# Altium PCB Bran_Main_Assay_PCB_v2_20170826.pcbdoc (part 2 of 4)
Units mm, origin at the board's own origin, x right, y up, seen from the top; angles counter-clockwise.
Board outline 91.65 x 48.25 mm, 6 copper layers (TOP, GND1, Singal, POWER, GND2, BOTTOM), stack 0.8 mm thick; 367 components, 288 nets, 1408 pads, 966 vias.
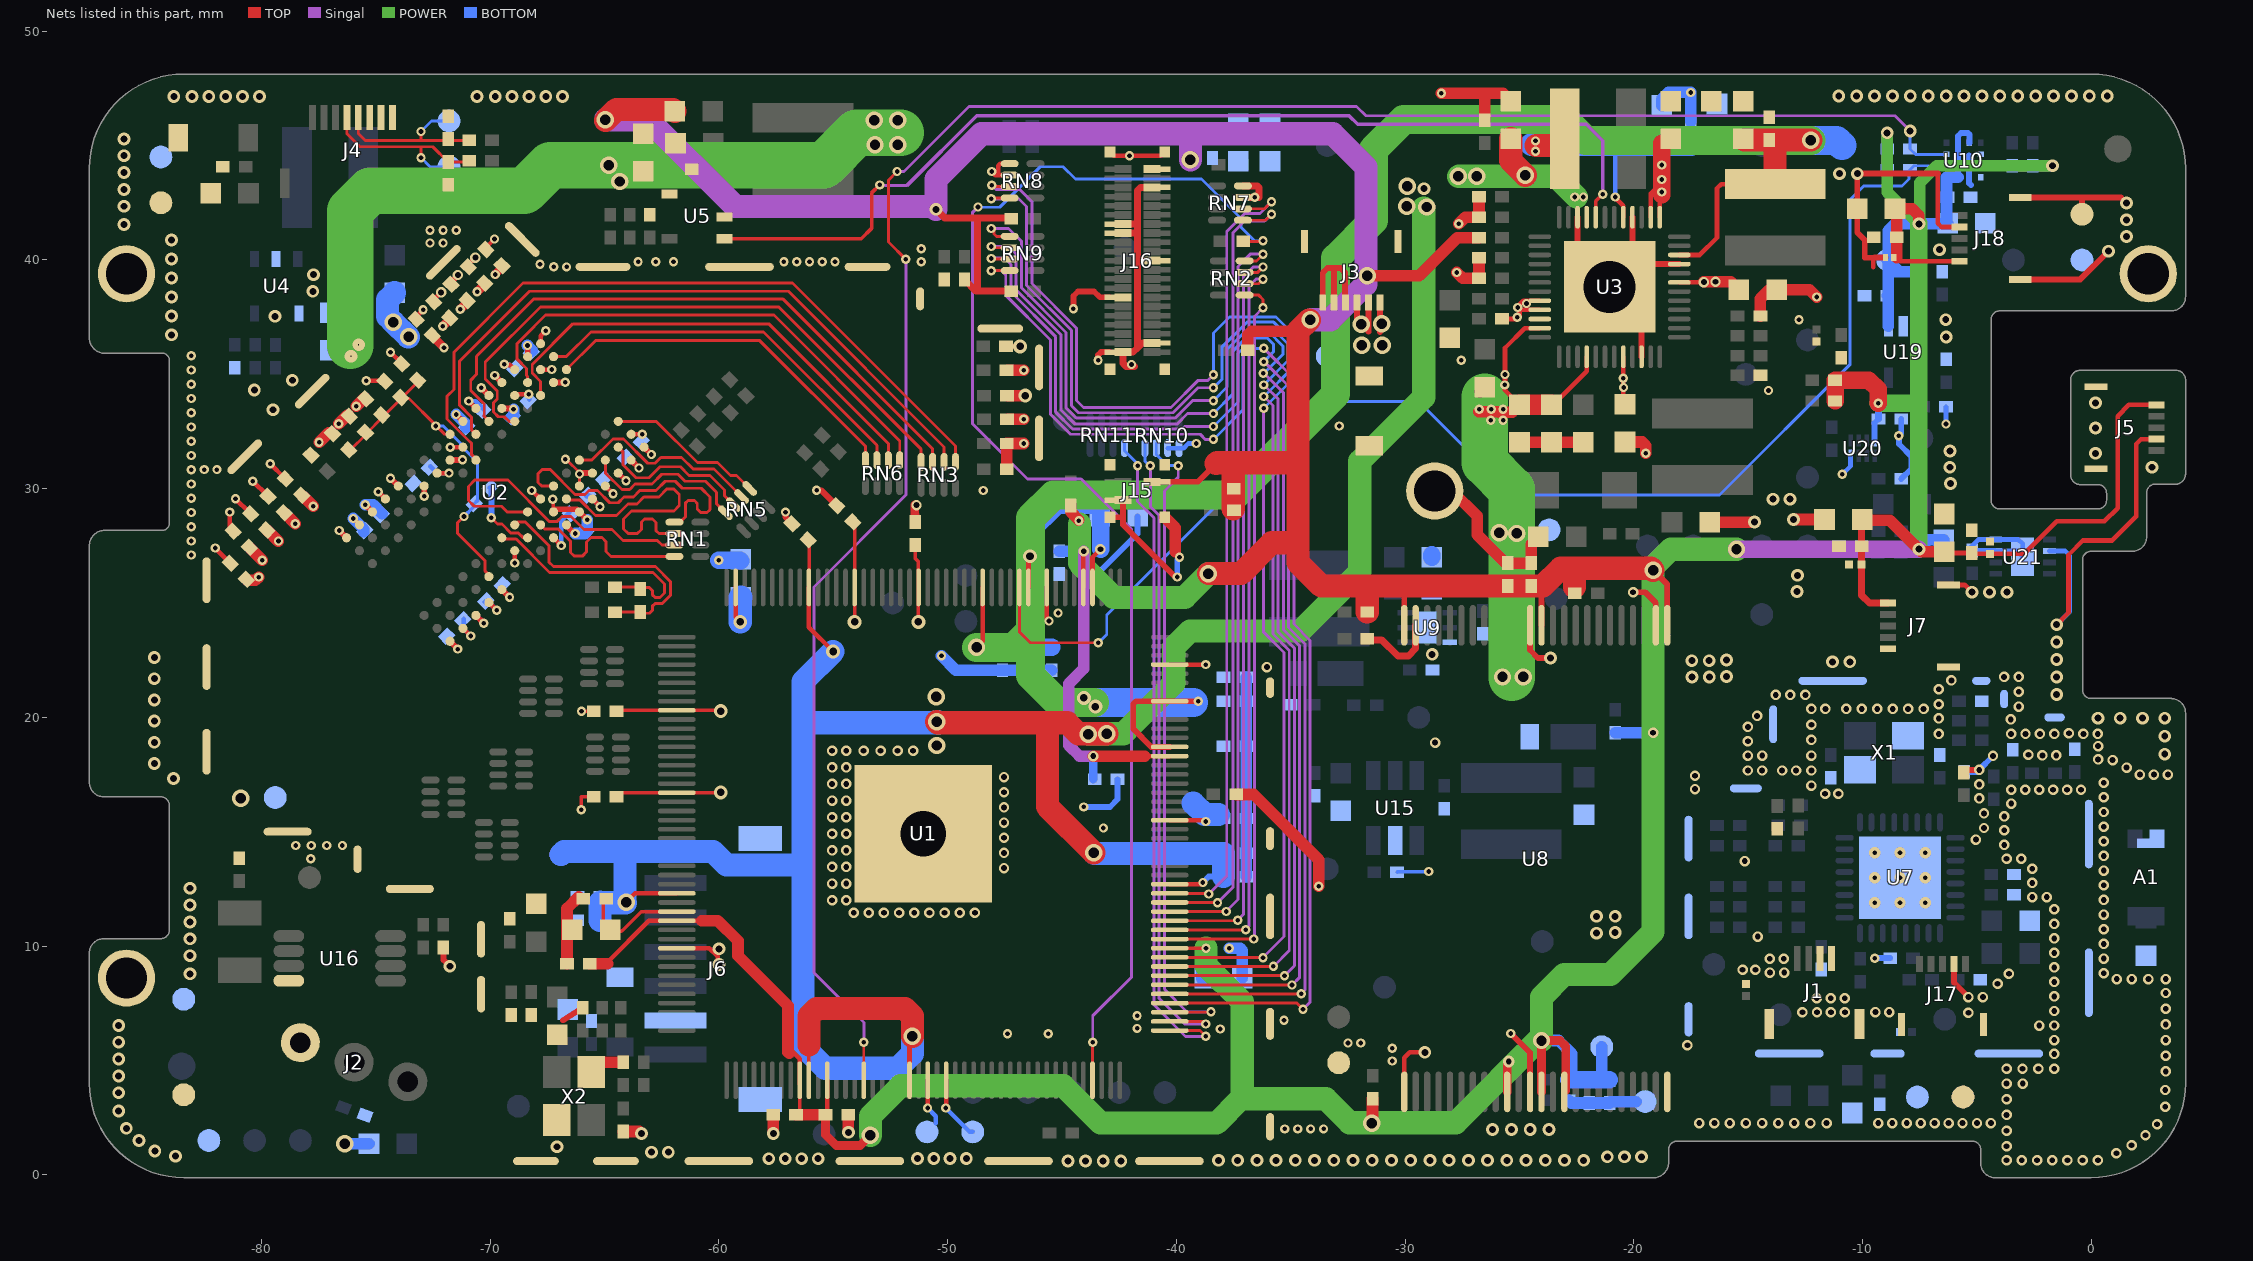
[diagram p6: the nets of this part, all layers, seen from the top]

## Via types
v1: diameter 0.406, hole 0.203, TOP to BOTTOM, tented both sides, 424 vias
v2: diameter 0.457, hole 0.254, TOP to BOTTOM, tented both sides, 256 vias
v3: diameter 0.559, hole 0.305, TOP to BOTTOM, tented both sides, 194 vias
v4: diameter 0.762, hole 0.457, TOP to BOTTOM, tented both sides, 69 vias
v5: diameter 0.61, hole 0.33, TOP to BOTTOM, tented both sides, 11 vias
v6: diameter 0.5, hole 0.2, TOP to BOTTOM, 9 vias
v7: diameter 0.559, hole 0.051, TOP to BOTTOM, tented both sides, 2 vias
v8: diameter 0.508, hole 0.254, TOP to BOTTOM, tented both sides, 1 vias

## Nets (pads, with @x,y where several pads share a name; then routed paths per layer and width w, separated by ;. In a path a pad name is that pad's centre, name@x,y a point inside that pad or via, vN(x,y) a via of type N, cw(c..) or ccw(c..) an arc to the next point about the centre after c; other vN are vias at no path point) (continued)
CORE-VDD: C28.2 C29.2 C30.2 C49.1 C55.1 C56.1 C117.1 L4.2 TP9.1 U1.35 U1.73 U1.98 U1.109 U1.149 U3.17 | length 134.2
  TOP w0.152: U1.98@-56.065,4.133 -56.065,5.672 ; U1.35@-56.065,25.683 -56.053,25.694 C49.1@-56.053,27.719
  TOP w0.203: v4(-64.057,11.919) -63.668,12.308 U1.73@-61.84,12.308 ; U1.35@-56.065,25.683 -56.065,23.938 v5(-55.007,22.881) ; U1.109@-51.665,4.133 -51.665,5.925 v4(-51.537,6.053) ; U1.149@-40.29,12.708 v1@-38.913,12.708 ; v1(-20.803,42.756) -20.803,42.715 -20.457,42.369 U3.17@-20.457,41.869
  TOP w1.016: -56.065,5.672 -56.065,6.935 -55.728,7.272 -51.867,7.272 -51.537,6.942 v4(-51.537,6.053) ; v4(-50.477,19.812) -50.435,19.769 -44.766,19.769 -44.282,19.285 -43.852,19.285 v4(-43.039,19.285) ; -45.632,19.706 -45.632,16.099 v4(-43.61,14.078) ; -24.257,45.002 -23.309,45.002 L4.2@-23.015,45.296
  POWER w1.016: v4(-43.852,19.272) -43.839,19.285 v4(-43.039,19.285) -42.318,19.285 -40.107,21.495 -40.107,23.071 -39.404,23.774 -34.578,23.774 -31.979,26.373 -31.979,31.199 -29.185,33.993 v4@-29.185,42.27
  BOTTOM w0.203: v1(-20.803,42.756) -20.803,44.912
  BOTTOM w0.254: v1(-38.837,12.784) -38.583,13.038 C28.2@-37.94,13.038
  BOTTOM w0.508: C29.2@-65.183,12.166 -64.935,11.919 -64.108,11.919 v4(-64.057,11.919) ; -56.074,5.672 -56.074,8.047
  BOTTOM w1.016: TP9.1@-66.9,14 -66.769,14.131 -60.252,14.131 -59.662,13.54 -56.997,13.54 -56.992,13.546 -56.328,13.546 ; C117.1@-65.201,11.121 -65.201,11.895 -65.183,11.895 v4@-64.081,11.895 ; v4@-64.108,11.919 -64.108,14.097 ; v5@-55.01,22.876 -56.328,21.558 -56.328,19.769 ; v4(-51.537,6.053) -51.537,5.291 -52.172,4.656 -55.347,4.656 -56.328,5.637 -56.328,13.546 ; v4(-50.477,19.812) -50.437,19.812 -50.394,19.769 -50.477,19.769 -56.328,19.769 ; v4@-43.577,14.054 C30.2@-37.94,14.054 C28.2@-37.94,13.038 ; -24.472,45.05 -24.294,45.05 -18.771,45.05 C56.1@-17.501,45.05 ; -56.328,13.546 -56.328,19.769
  other v1: -24.294,44.748 -24.294,45.205
  other v3: -29.169,43.117
  other v4: -50.477,18.77 -50.503,20.904 -29.056,42.316 -29.92,42.342 -29.894,43.231
CPU-VDD: C20.2 C21.2 C22.2 C23.2 C24.2 C25.2 C26.2 C27.2 C46.1 C48.1 L2.2 TP8.1 U1.4 U1.9 U1.11 U1.16 U1.156 U1.164 U1.169 U1.173 U3.10 | length 107.5
  TOP w0.203: -48.465,23.333 U1.16@-48.465,25.683 ; U1.11@-46.465,25.683 -46.465,27.047 v5(-46.397,27.047) ; U1.9@-45.665,25.683 -45.665,24.311 v1(-45.568,24.214) ; U1.4@-43.665,25.683 -43.665,27.003 v2(-43.318,27.349) ; U1.156@-40.29,15.508 v1@-38.767,15.508 ; U1.173@-40.29,22.308 v1@-38.711,22.308 ; U3.10@-18.007,40.219 -17.117,40.219 -16.358,40.978 -16.358,43.137 -16.178,43.317 L2.2@-13.818,43.317
  TOP w0.254: U1.164@-40.29,18.708 -41.095,18.708 -41.885,19.498 -41.885,20.581 -41.758,20.708 U1.169@-40.29,20.708 v1(-39.041,20.708)
  TOP w1.016: C46.1@-15.16,45.241 C48.1@-14.072,45.241 -13.818,45.241 ; L2.2@-13.818,43.317 -13.818,45.241 ; v4@-12.262,45.241 -13.818,45.241
  POWER w1.27: v4(-48.735,23.063) -47.1,23.063 -46.371,23.792 ; v5@-43.577,20.646 -44.044,20.646 -45.175,20.646 -46.371,21.842 -46.371,23.792 ; v4(-12.254,45.233) -22.105,45.233 -23.018,46.145 -30.062,46.145 -31.38,44.827 -31.38,41.733 -33.032,40.081 -33.032,34.131 -37.437,29.726 -45.362,29.726 -46.371,28.716 -46.371,27.047 -46.371,24.214 -46.371,23.792
  BOTTOM w0.762: C23.2@-47.6,23.063 C21.2@-46.457,23.063 ; C22.2@-45.441,23.063 C21.2@-46.457,23.063 ; v2@-43.307,27.349 -43.307,28.786 -43.307,29.282 -43.346,29.282 -45.178,29.282 -46.397,28.063 v5(-46.397,27.047) -46.397,23.123 C21.2@-46.457,23.063
  BOTTOM w1.016: -39.256,16.251 -38.761,15.756 -38.71,15.756 C24.2@-38.151,15.756
  BOTTOM w1.27: v5@-43.729,20.658 -43.536,20.658 -39.268,20.658 ; -39.268,20.646 -39.268,20.658 ; -39.256,20.658 -39.268,20.658 ; v4(-12.254,45.233) -11.133,45.233 TP8.1@-10.9,45
  other v1: -38.71,15.451 -38.71,22.309
  other v5: -43.536,20.468 -44.044,20.849
D+: D7.1 J4.5 R158.1 TP53.1 | length 7.5
  TOP w0.127: J4.5@-75.768,46.23 -75.768,45.528 -75.471,45.231 -73.024,45.231 ; v1(-73.024,45.618) -73.024,45.231 ; R158.1@-70.92,45.231 -71.843,45.231 -73.024,45.231
  BOTTOM w0.127: v1(-73.024,45.618) -72.565,46.077 TP53.1@-71.8,46.077
D-: D8.1 J4.4 R157.1 TP52.1 | length 8.5
  TOP w0.127: J4.4@-76.268,46.23 -76.268,45.528 -75.692,44.951 -73.024,44.951 ; v1(-73.024,44.475) -73.024,44.951 ; R157.1@-70.92,44.342 -70.979,44.283 D8.1@-71.843,44.283 -72.511,44.951 -73.024,44.951
  BOTTOM w0.127: v1(-73.024,44.475) -72.626,44.077 TP52.1@-71.8,44.077
DCIN-5V: D5.1 J3.1 J3.2 J3.3 R14.2 TP32.1 U3.32 U3.33 | length 6.8
  TOP w0.203: R14.2@-25.764,37.422 -25.165,37.422 v1(-25.096,37.49) -24.994,37.593 -24.994,37.922 -24.994,38.057 -24.832,38.219 -24.687,38.219 U3.32@-24.107,38.219 ; v1@-24.988,37.819 -24.687,37.819 U3.33@-24.107,37.819
  TOP w0.254: v4@-32.1,37.083 -32.1,37.185 J3.3@-32.1,38.15 ; -31.6,36.865 -31.6,37.185 J3.2@-31.6,38.15 ; v4@-31.1,36.857 -31.1,37.211 J3.1@-31.1,38.15
  other v1: -25.068,37.922 -24.687,38.1
  other v4: -31.885,36.271 -30.996,36.271 -31.91,37.185 -31.021,37.211
DQ0: RN3.4 U2.E3 | length 26.8
  TOP w0.127: U2.E3@-68.927,32.945 -69.182,32.945 -69.383,33.146 -69.644,33.146 -69.858,33.359 -69.858,33.76 -69.693,33.925 -69.693,34.268 -70.216,34.792 -70.216,35.533 -67.803,37.946 -57.38,37.946 -51.155,31.72 RN3.4@-51.155,31.169
DQ1: RN1.1 U2.F7 | length 13.4
  TOP w0.127: U2.F7@-67.23,30.117 -67.747,30.117 -67.905,30.275 -67.905,30.656 -67.727,30.834 -67.371,30.834 -66.289,29.751 -65.849,29.751 -65.684,29.916 -65.306,29.916 -64.776,29.386 -64.4,29.386 -64.146,29.64 -63.739,29.64 -63.46,29.919 -62.749,29.919 -62.342,30.326 -61.911,30.326 -61.606,30.021 -60.768,30.021 -60.387,29.64 -60.387,29.081 -60.514,28.954 -60.793,28.954 -60.945,29.106 -60.945,29.358 -61.072,29.485 -61.354,29.485 -61.453,29.386 -61.453,28.789 -61.707,28.536 RN1.1@-61.942,28.536
DQ2: RN3.3 U2.F2 | length 27.6
  TOP w0.127: U2.F2@-70.058,32.945 -70.263,33.15 -70.258,33.359 -70.258,33.702 -70.851,34.295 -70.851,34.745 -70.597,34.999 -70.597,35.786 -68.083,38.301 -57.212,38.301 -50.654,31.744 RN3.3@-50.654,31.169
DQ3: RN1.2 U2.F8 | length 12.7
  TOP w0.127: U2.F8@-66.664,29.551 -66.611,29.497 -66.061,29.497 -65.39,28.827 -64.476,28.827 -63.968,29.335 -63.587,29.335 -63.282,29.64 -62.622,29.64 -62.28,29.982 -61.973,29.982 -61.733,29.741 -61.733,29.259 -61.961,29.03 -63.816,29.03 -64.171,28.675 -64.171,28.243 -63.964,28.036 -63.566,28.036 -63.384,28.217 -63.384,28.548 -63.257,28.675 -62.902,28.675 -62.749,28.522 -62.749,28.163 -62.622,28.036 RN1.2@-61.942,28.036
DQ4: RN3.1 U2.H3 | length 32.2
  TOP w0.127: U2.H3@-70.624,31.248 -70.624,31.301 -70.808,31.485 -70.808,31.971 -71.032,32.195 -71.885,33.048 -71.885,34.042 -71.588,34.339 -71.588,35.964 -68.565,38.987 -56.78,38.987 -49.654,31.862 RN3.1@-49.654,31.169
DQ5: RN1.4 U2.H8 | length 7.9
  TOP w0.127: U2.H8@-67.795,28.419 -67.619,28.243 -67.022,28.243 -66.483,27.704 -66.483,27.213 -66.318,27.049 -65.975,27.049 -65.785,27.239 -65.785,27.67 -65.594,27.862 -65.111,27.862 -64.933,27.684 -64.933,27.252 -64.717,27.036 RN1.4@-61.942,27.036
DQ6: RN3.2 U2.G2 | length 29.4
  TOP w0.127: U2.G2@-70.624,32.379 -70.824,32.58 -70.824,33.136 -71.334,33.646 -71.334,35.583 -68.286,38.631 -56.958,38.631 -50.155,31.828 RN3.2@-50.155,31.169
DQ7: RN1.3 U2.H7 | length 13.9
  TOP w0.127: U2.H7@-68.361,28.985 -69.257,28.985 -69.505,29.233 -70.699,29.233 -70.953,29.487 -70.953,30.097 -70.674,30.376 -69.226,30.376 -67.422,28.573 -67.067,28.573 -66.855,28.785 -66.465,28.785 -65.898,28.217 -64.679,28.217 -64.197,27.735 -62.691,27.735 -62.492,27.536 RN1.3@-61.942,27.536
DQ8: RN5.2 U2.D7 | length 8.7
  TOP w0.127: U2.D7@-66.098,31.248 -65.557,31.248 -64.626,32.179 -64.25,32.179 -64.17,32.174 -63.108,31.113 -62.792,31.113 -62.538,31.367 -61.631,31.367 -61.123,30.859 -60.211,30.859 RN5.2@-59.009,29.657
DQ9: RN6.2 U2.C3 | length 20.7
  TOP w0.127: U2.C3@-67.795,34.076 -67.795,34.691 -68.161,35.056 -68.161,35.434 -66.386,37.209 -57.821,37.209 -52.593,31.981 RN6.2@-52.593,31.246
DQ10: RN5.4 U2.C8 | length 7.4
  TOP w0.127: U2.C8@-64.967,31.248 -64.967,30.691 -64.236,29.96 -63.902,29.96 -63.663,30.199 -62.93,30.199 -62.499,30.63 -61.784,30.63 -61.479,30.326 -60.59,30.326 -60.106,29.841 -60.106,29.339 RN5.4@-59.716,28.95
DQ11: RN6.1 U2.C2 | length 22.3
  TOP w0.127: U2.C2@-68.361,34.642 -68.361,34.897 -68.415,34.951 -68.415,35.253 -68.819,35.658 -68.819,36.349 -68.523,36.642 -67.575,37.59 -57.593,37.59 -52.093,32.09 RN6.1@-52.093,31.246
DQ12: RN5.1 U2.A7 | length 7
  TOP w0.127: U2.A7@-64.401,32.945 -62.748,32.945 -60.942,31.138 -60.056,31.138 -59.498,30.58 -59.224,30.58 RN5.1@-58.655,30.011
DQ13: RN6.3 U2.A2 | length 17.3
  TOP w0.127: U2.A2@-67.23,35.773 -66.674,35.773 -65.594,36.853 -58.05,36.853 -53.093,31.896 RN6.3@-53.093,31.246
DQ14: RN5.3 U2.B8 | length 7
  TOP w0.127: U2.B8@-64.401,31.813 -64.201,31.613 -64.201,31.097 ; RN5.3@-59.362,29.304 -59.752,29.693 -59.752,29.945 -60.387,30.58 -61.301,30.58 -61.682,30.961 -62.571,30.961 -63.054,30.478 -63.623,30.478 -64.189,31.044 ; -64.201,31.097 -64.189,31.044 ; -64.201,31.097 -64.189,31.085 -64.189,31.044
DQ15: RN6.4 U2.A3 | length 16.1
  TOP w0.127: U2.A3@-66.664,35.207 -65.399,36.472 -58.21,36.472 -53.593,31.856 RN6.4@-53.593,31.246
DRAM-REF: C81.1 C83.2 C95.1 C96.1 R86.1 R90.2 U2.H1 U2.M8 | length 16
  TOP w0.127: C95.1@-76.145,31.657 -75.408,32.393 -75.408,32.419 C83.2@-74.697,33.13 ; C83.2@-74.697,33.181 C83.2@-74.697,33.13 ; R86.1@-73.122,34.705 -73.872,33.956 C81.1@-73.884,33.943 ; U2.H1@-71.755,32.379 -71.991,32.379 v1@-72.363,32.751 ; v1(-71.147,28.786) -71.436,28.497 -71.436,28.065 -70.234,26.863 -70.234,26.415 -70.058,26.239 U2.M8@-70.058,26.156 ; C83.2@-74.697,33.13 -74.672,33.155 C81.1@-73.884,33.943 ; C81.1@-73.884,33.943 -73.554,33.943 v1@-72.426,32.815 ; v1@-72.426,32.815 v1@-72.363,32.751 ; v1@-72.426,32.815 -72.426,32.789 v1(-72.375,32.739) ; v1@-72.426,32.815 v1(-72.375,32.739) ; v1(-72.375,32.739) v1@-72.363,32.751
  BOTTOM w0.127: v1(-72.375,32.739) -72.052,32.739 -71.307,31.994 -71.307,31.904 -70.547,31.144 C96.1@-70.547,29.487 ; C96.1@-70.739,29.193 -70.739,29.295 C96.1@-70.697,29.337 C96.1@-70.547,29.487 ; C96.1@-70.552,29.482 C96.1@-70.547,29.487
  BOTTOM w0.152: v1(-71.147,28.786) C96.1@-70.739,29.193 ; C96.1@-70.697,29.337 C96.1@-70.552,29.482
DRAM-VCC: C33.2 C34.2 C35.2 C36.2 C81.2 C82.1 C85.1 C86.1 C87.1 C88.1 C89.1 C90.1 C91.1 C92.1 C93.1 C94.1 C97.1 C98.1 C99.1 C100.1 C101.1 C102.1 C103.1 C104.1 C105.1 C106.1 C142.2 L13.1 R86.2 R89.2 TP49.1 U1.23 U1.30 U1.43 U1.53 U1.62 U2.A1 U2.A8 U2.B2 U2.C1 U2.C9 U2.D2 U2.D9 U2.E9 U2.F1 U2.G7 U2.H2 U2.H9 U2.K2 U2.K8 U2.N1 U2.N9 U2.R1 U2.R9 | length 48.4
  TOP w0.152: v2@-71.426,39.327 v2(-71.41,39.343) ; C36.2@-64.417,16.535 -64.417,16.569 -64.278,16.708 U1.62@-61.84,16.708 v5@-59.932,16.708 ; C33.2@-64.417,20.274 -64.383,20.308 U1.53@-61.84,20.308 -59.95,20.308 v5(-59.919,20.277) ; C34.2@-54.098,28.507 -54.068,28.477 -54.068,25.683 -54.068,25.68 U1.30@-54.065,25.683 v5@-54.065,24.179 ; v5(-54.068,24.176) v5@-54.068,24.179 ; C35.2@-51.42,27.48 -51.42,26.945 -51.274,26.798 -51.274,25.683 v5@-51.274,24.303
  TOP w0.203: v1(-82.027,27.405) C90.1@-81.407,26.785 ; C91.1@-81.342,28.243 C91.1@-81.28,28.182 ; v1@-81.342,28.937 v1(-81.382,28.977) -81.382,28.283 C91.1@-81.238,28.139 ; v1(-81.138,29.564) C92.1@-80.518,28.944 ; v1(-80.376,30.326) C93.1@-79.756,29.706 ; v1(-79.614,31.088) C94.1@-78.994,30.468 ; v1(-75.988,28.698) -75.715,28.425 U2.R1@-75.715,28.419 ; v1(-75.424,34.715) -74.671,34.715 C81.2@-74.651,34.735 ; v1(-74.894,29.861) U2.N1@-74.584,29.551 ; v1(-74.36,35.967) -73.914,35.522 R86.2@-73.914,35.497 ; C102.1@-73.279,37.473 v1(-72.934,37.819) ; C103.1@-72.517,38.215 v2(-72.147,38.581) ; U2.K2@-72.321,30.682 v1(-71.803,30.682) ; v1(-71.751,31.809) U2.H2@-71.19,31.814 ; U2.R9@-71.19,23.894 v1(-70.853,23.558) ; C105.1@-70.993,39.739 -70.993,39.759 v2(-70.648,40.105) ; v1(-70.943,33.83) U2.F1@-70.624,33.511 ; C106.1@-70.231,40.501 v1(-69.81,40.917) ; U2.N9@-70.058,25.025 v1(-69.717,24.684) ; v1(-68.927,26.75) U2.K8@-68.927,27.288 ; U2.D2@-68.927,34.076 -68.876,34.127 v1(-68.31,34.127) ; U2.C1@-68.927,35.207 -69.125,35.406 v1@-69.296,35.406 ; v1(-68.184,29.919) -67.816,29.551 U2.G7@-67.796,29.551 ; U2.B2@-67.796,35.207 v1(-67.308,35.212) ; U2.A1@-67.795,36.339 -67.795,36.684 v1(-67.575,36.904) ; U2.H9@-67.23,27.854 v1(-66.888,27.512) ; U2.E9@-65.533,29.551 v1(-65.195,29.214) ; U2.D9@-64.967,30.117 v1(-64.626,29.775) ; U2.C9@-64.401,30.682 v1(-64.06,30.341) ; U2.A8@-63.835,32.379 v1(-63.348,32.379) ; U1.43@-59.265,25.683 -59.265,24.375 v5(-59.066,24.176) ; R89.2@-47.382,36.227 -46.827,36.227 v5@-46.662,36.227 ; v1@-69.296,35.406 -69.327,35.437 v1(-69.391,35.437) v1@-69.296,35.406
  TOP w0.254: C104.1@-71.755,38.977 -71.426,39.306 v2@-71.426,39.327
  TOP w0.508: C82.1@-47.346,34.071 v5(-46.606,34.071)
  BOTTOM w0.203: C89.1@-72.614,30.975 -72.321,30.682 v1(-71.803,30.682) ; C98.1@-71.158,24.303 -71.158,24.261 -71.158,23.971 -71.213,23.917 v1(-70.853,23.558) ; v1(-70.943,33.83) -70.64,33.83 C99.1@-70.276,33.465 ; C97.1@-70.228,25.048 -70.186,25.048 C97.1@-70.146,25.048 ; C97.1@-70.146,25.048 -70.081,25.048 v1(-69.717,24.684) ; v1(-69.391,35.437) -69.186,35.437 C100.1@-68.961,35.213 ; v1(-68.31,34.127) -68.296,34.113 C101.1@-68.296,33.896 ; v1(-66.888,27.512) -66.888,28.604 C88.1@-66.549,28.943 ; C85.1@-65.786,29.676 -65.744,29.676 -65.734,29.676 -65.718,29.691 -65.695,29.714 v1(-65.195,29.214)
  BOTTOM w0.508: v1(-75.988,28.698) -75.524,28.234 -75.524,28.16 C87.1@-75.524,28.118
  BOTTOM w1.016: L13.1@-74.179,38.563 -74.484,38.259 -74.484,37.535 -74.236,37.286 -73.585,36.635 v4(-73.57,36.635) ; v5(-59.066,24.176) -59.066,25.236 C142.2@-59.046,25.256
  other v4: -80.911,16.459 -74.247,37.275
  other v5: -59.919,16.721 -51.274,24.176 -46.827,36.225
DSCK: C109.2 R65.1 U2.J7 | length 11.8
  TOP w0.127: U2.J7@-68.927,28.419 -68.799,28.548 -68.464,28.548 -67.422,27.506 -67.422,26.783 -67.232,26.592 -62.774,26.592 -62.125,25.942 -62.125,25.335 -62.475,24.985 -62.783,24.985 -62.91,24.858 -62.91,24.679 -63.037,24.552 -63.445,24.552 -63.475,24.582 -63.497,24.604 R65.1@-64.485,24.603
DSCK-N: C109.1 R68.1 U2.K7 | length 10.8
  TOP w0.127: U2.K7@-69.492,27.854 -69.438,27.8 -68.863,27.8 -67.401,26.338 -62.88,26.338 -62.379,25.837 -62.379,25.441 -62.58,25.239 -62.783,25.239 -62.91,25.366 -62.91,25.545 -63.037,25.672 -63.445,25.672 -63.469,25.696 R68.1@-64.485,25.696
EXTEN: U3.20 U5.1 | length 45.4
  TOP w0.152: U5.1@-59.752,40.928 -53.775,40.928 -53.326,41.377 -53.326,42.926 v1(-52.971,43.282) ; U3.20@-21.657,41.869 -21.657,42.578 v1(-21.36,42.875)
  Singal w0.152: v1@-52.945,43.256 -51.777,43.256 -48.729,46.304 -32.448,46.304 -32.073,45.929 -22.078,45.929 -21.36,45.212 v1(-21.36,42.875)
G_INT1: R130.2 U1.104 U10.12 | length 91.2
  TOP w0.127: U1.104@-53.665,4.133 v1@-53.665,5.795 ; v1(-52.209,43.866) -52.59,43.485 -52.59,40.792 v1(-51.828,40.03)
  Singal w0.127: v1(-53.661,5.799) -53.661,6.653 -55.846,8.838 -55.846,25.7 -51.828,29.718 v1(-51.828,40.03) ; v1(-52.209,43.866) -51.904,43.866 -49.059,46.711 -32.117,46.711 -31.711,46.304 -8.572,46.304 v3(-7.911,45.644)
  BOTTOM w0.127: v3@-7.919,45.636 R130.2@-7.919,44.852 -7.686,44.619 U10.12@-6.324,44.619
G_INT2: R129.2 U1.12 U10.11 | length 59.6
  TOP w0.127: U1.12@-46.865,25.683 -46.865,23.746 -46.381,23.262 v1(-43.409,23.262)
  BOTTOM w0.127: v1(-43.409,23.262) -43.041,23.63 -43.041,24.482 -33.715,33.807 -29.395,33.807 -25.306,29.718 -16.251,29.718 -10.552,35.416 -10.552,42.622 -9.943,43.231 -8.267,43.231 -7.962,43.536 -7.962,43.899 R129.2@-7.919,43.942 -7.742,44.119 U10.11@-6.324,44.119
GND: A1.1 A1.3@2.4,14.5 C2.1 C3.1 C4.1 C5.1 C7.1 C8.1 C9.1 C10.1 C15.2 C16.1 C17.1 C18.1 C19.1 C20.1 C21.1 C22.1 C23.1 C24.1 C25.1 C26.1 C27.1 C28.1 C29.1 C30.1 C31.1 C32.1 C33.1 C34.1 C35.1 C36.1 C37.1 C38.1 C39.2 C40.1 C41.1 C44.2 C45.2 C46.2 C47.2 C48.2 C49.2 C50.2 C51.2 C52.2 C53.2 C54.2 C55.2 C56.2 C57.2 C59.1 C60.2 C61.2 C62.1 C63.1 C64.2 C65.2 C66.2 C67.2 C68.2 C69.1 C70.1 C71.1 C83.1 C84.2 C85.2 C86.2 C87.2 C88.2 C89.2 C90.2 C91.2 C92.2 C93.2 C94.2 C95.2 C96.2 C97.2 C98.2 C99.2 C100.2 C101.2 C102.2 C103.2 C104.2 C105.2 C106.2 C111.1 C116.1 C117.2 C120.1 C121.1 C122.1 C123.1 C142.1 C145.1 C146.1 C148.1 C152.1 C154.1 C155.1 C156.2 C157.2 C158.1 C159.2 C174.2 C175.2 C176.2 C204.1 C207.1 C208.1 C209.1 C215.2 C216.2 C220.2 C221.2 C225.2 C226.2 C227.2 C228.2 C235.2 C236.2 C237.2 C238.2 C240.1 C241.2 C242.2 C243.1 C244.1 C246.2 C247.2 C248.1 C249.1 C250.2 C251.1 C252.1 C253.1 D2.2 D4.1 D5.2 D6.2 D7.2 D8.2 D13.2 D14.2 D15.2 D19.2 D20.2 J1.3 J1.4 J1.5 J1.6 J2.3 J3.4 J3.5 J3.6 J3.7 J3.8 J4.6 J4.7 J4.8 J5.4 J5.6 J5.7 J6.2 J6.7 J6.8 J7.1 J7.6 J7.7 J15.6 J15.7 J15.8 J15.9 J15.10 J16.5 J16.14 J16.16 J16.21 J16.30 J16.39 J16.42 J16.43 J16.44 J16.45 J16.46 J17.4 J17.6 J17.7 J18.4 J18.6 J18.7 pad.0 pad.1 R1.1 R2.1 R12.1 R17.1 R19.1 R28.2 R35.2 R50.1 R71.1 R90.1 R91.1 R94.1 R151.1 R155.1 R160.2 R178.1 R180.2 R188.1 R190.2 R210.2 RN7.3 RN7.4 RN8.1 RN8.2 RN10.1 RN10.2 TP4.1 TP15.1 TP16.1 TP17.1 TP18.1 TP19.1 TP20.1 TP21.1 TP22.1 TP24.1 TP56.1 U1.79 U1.177 U2.A9 U2.B1 U2.B3 U2.B9 U2.D1 U2.D8 U2.E1 U2.E2 U2.E8 U2.F9 U2.G1 U2.G8 U2.G9 U2.J2 U2.J8 U2.L2 U2.M1 U2.M9 U2.P1 U2.P9 U2.T1 U2.T9 U3.9 U3.16 U3.22 U3.46 U3.49 U4.2 U5.2 U7.33 U8.2 U8.13 U8.23 U8.25 U8.36 U8.48 U9.3 U9.7 U10.5 U10.6 U10.7 U10.8 U15.2 U16.4 U19.2 U20.4 U21.2 U21.7 U21.8 U21.9 X1.2 X1.4 X2.2 X2.4 | length 221.1
  TOP w0.127: v1(-69.947,28.725) -69.678,28.456 -69.49,28.456 -69.088,28.054 -68.758,28.054 -68.557,27.854 U2.J8@-68.361,27.854 ; U2.G8@-67.261,29.034 v1(-67.261,29.538) -67.23,29.507 U2.G8@-67.23,28.985 ; v1(-66.711,31.291) -66.686,31.291 v1@-66.077,30.682 ; U2.E8@-66.098,30.165 U2.E8@-66.094,30.165 ; U2.E8@-66.098,30.165 U2.E8@-66.098,30.117 U2.E8@-66.094,30.165 ; U2.E8@-66.098,30.165 v1@-66.098,30.637 ; v1@-66.098,30.637 v1(-66.094,30.642) v1@-66.077,30.682 ; v1@-66.098,30.637 v1(-66.094,30.642) ; U2.E8@-66.094,30.165 v1(-66.094,30.642) ; v1(-66.094,30.642) v1@-66.077,30.682 ; C35.1@-51.43,28.649 -51.42,28.64 -51.42,28.6 C35.1@-51.43,28.649
  TOP w0.14: U2.G8@-67.261,29.034 U2.G8@-67.23,28.985
  TOP w0.152: v1(-66.015,15.959) -66.015,16.522 -66.001,16.535 C36.1@-65.537,16.535 ; v1(-66.006,20.265) -65.997,20.274 C33.1@-65.537,20.274
  TOP w0.2: -40.042,27.244 -39.86,27.062 v1(-39.86,27) ; -9.525,39.675 -9.525,40.056
  TOP w0.203: U1.79@-61.84,9.908 -60.419,9.908 -60.057,9.546 v3@-60.057,9.241 ; v1(-48.069,43.866) -47.912,43.709 -47.785,43.709 ; RN8.2@-47.287,43.709 -47.785,43.709 ; RN8.1@-47.287,44.209 -47.695,44.209 -47.785,44.12 -47.785,43.709 ; J16.45@-42.895,44.72 -42.726,44.551 v1(-42.045,44.551) -40.674,44.551 J16.43@-40.505,44.72 ; U8.25@-30.033,3.624 -30.033,5.117 -29.795,5.355 v3(-29.134,5.355) ; -6.7,43.774 -6.7,41.6 -6.542,41.442 J18.4@-5.752,41.442 ; J7.7@-6.23,25.79 -5.521,25.79 v3(-5.207,25.476) ; v3(-1.506,24.054) -0.991,24.569 -0.991,27.102 -0.356,27.737 0.92,27.737 1.969,28.786 1.969,31.953 2.181,32.164 J5.4@2.863,32.164
  TOP w0.254: v1(-76.601,28.173) U2.T1@-76.28,27.854 ; v1(-75.459,29.295) U2.P1@-75.149,28.985 ; v1(-74.355,30.454) U2.M1@-74.018,30.116 ; v1(-72.887,29.668) U2.L2@-72.887,30.117 ; C31.1@-72.046,9.939 -72.046,9.398 v3(-71.767,9.119) ; U2.T9@-71.755,23.328 v1(-71.414,22.987) ; U2.J2@-71.755,31.248 -71.235,31.248 v1(-71.212,31.27) ; v1(-71.491,33.246) U2.G1@-71.19,32.945 ; U2.P9@-70.624,24.46 v1(-70.283,24.118) ; v1(-70.395,34.413) U2.E1@-70.058,34.076 ; v1(-69.803,34.952) U2.D1@-69.492,34.642 ; U2.M9@-69.493,25.591 v1(-69.151,25.249) ; U2.E2@-69.492,33.511 v1@-69.015,33.511 ; v1(-68.369,36.261) -68.361,36.253 U2.B1@-68.361,35.773 ; U2.G8@-67.23,28.985 -67.113,29.102 -66.215,29.102 U2.F9@-66.098,28.985 v1(-65.757,28.644) ; U2.B3@-67.23,34.642 v1(-66.717,34.649) ; -66.827,6.756 R2.1@-65.976,7.29 ; U2.G9@-66.664,28.419 -66.664,28.378 -66.326,28.04 v1(-66.279,28.04) ; R2.1@-66.09,7.163 R2.1@-65.946,7.307 ; v1@-66.077,30.682 U2.D8@-65.533,30.682 ; U2.B9@-63.836,31.248 v1(-63.494,30.906) ; U2.A9@-63.27,31.814 v1(-62.95,31.494) ; v1(-57.09,28.977) -57.09,28.756 C49.2@-56.845,28.511 ; v1(-55.728,29.929) -55.52,29.929 C34.1@-54.89,29.299 ; v1(-44.499,37.871) -44.499,38.424 -44.296,38.627 -43.597,38.627 -43.34,38.37 J16.30@-42.925,38.37 ; v1(-43.42,35.611) -43.42,35.839 -43.29,35.97 J16.42@-42.925,35.97 ; J15.10@-42.895,28.75 -42.338,28.75 -42.335,28.753 ; J15.6@-42.335,29.5 -42.335,28.753 ; v1(-39.962,26.136) -40.048,26.136 -42.335,28.424 -42.335,28.753 ; J3.6@-33.6,38.15 -33.6,39.437 -33.387,39.649 -33.1,39.649 ; J3.5@-33.1,38.15 -33.1,39.649 ; J3.4@-32.6,38.15 -32.625,38.175 -32.625,39.446 -32.829,39.649 -33.1,39.649 ; v1(-25.375,6.18) -24.533,5.338 U8.36@-24.533,3.624 ; U8.13@-24.527,24.03 U8.13@-24.533,24.024 -24.533,22.942 -24.192,22.602 v3(-23.633,22.602) ; U3.49@-22.457,40.219 U3.22@-22.457,41.869 ; U3.16@-20.057,41.869 -20.057,39.819 U3.9@-18.007,39.819 ; v2(-20.027,25.47) -19.495,25.47 -19.033,25.008 U8.2@-19.033,24.024 ; U3.46@-19.657,35.769 U3.49@-19.657,37.419 ; -9.525,40.056 -9.474,40.107 D20.2@-8.991,40.107 ; -9.5,40.1 -9.9,40.1 -9.9,40.875 -10.225,41.2 C252.1@-10.225,42.241 v3(-10.225,43.774) -6.7,43.774 ; J17.4@-6,9.225 -6,8.405 v2(-5.367,7.772) ; C244.1@-5.574,17.594 -5.465,17.704 v2(-4.889,17.704) ; J18.6@-3.102,39.152 -0.479,39.152 v3(0.754,40.386) ; J18.7@-3.102,42.732 -0.4,42.732 ; TP18.1@-0.4,42 -0.4,42.732 ; v3(1.542,42.494) 1.304,42.732 -0.4,42.732